# KiCad board Logic_0.kicad_pcb (continued)
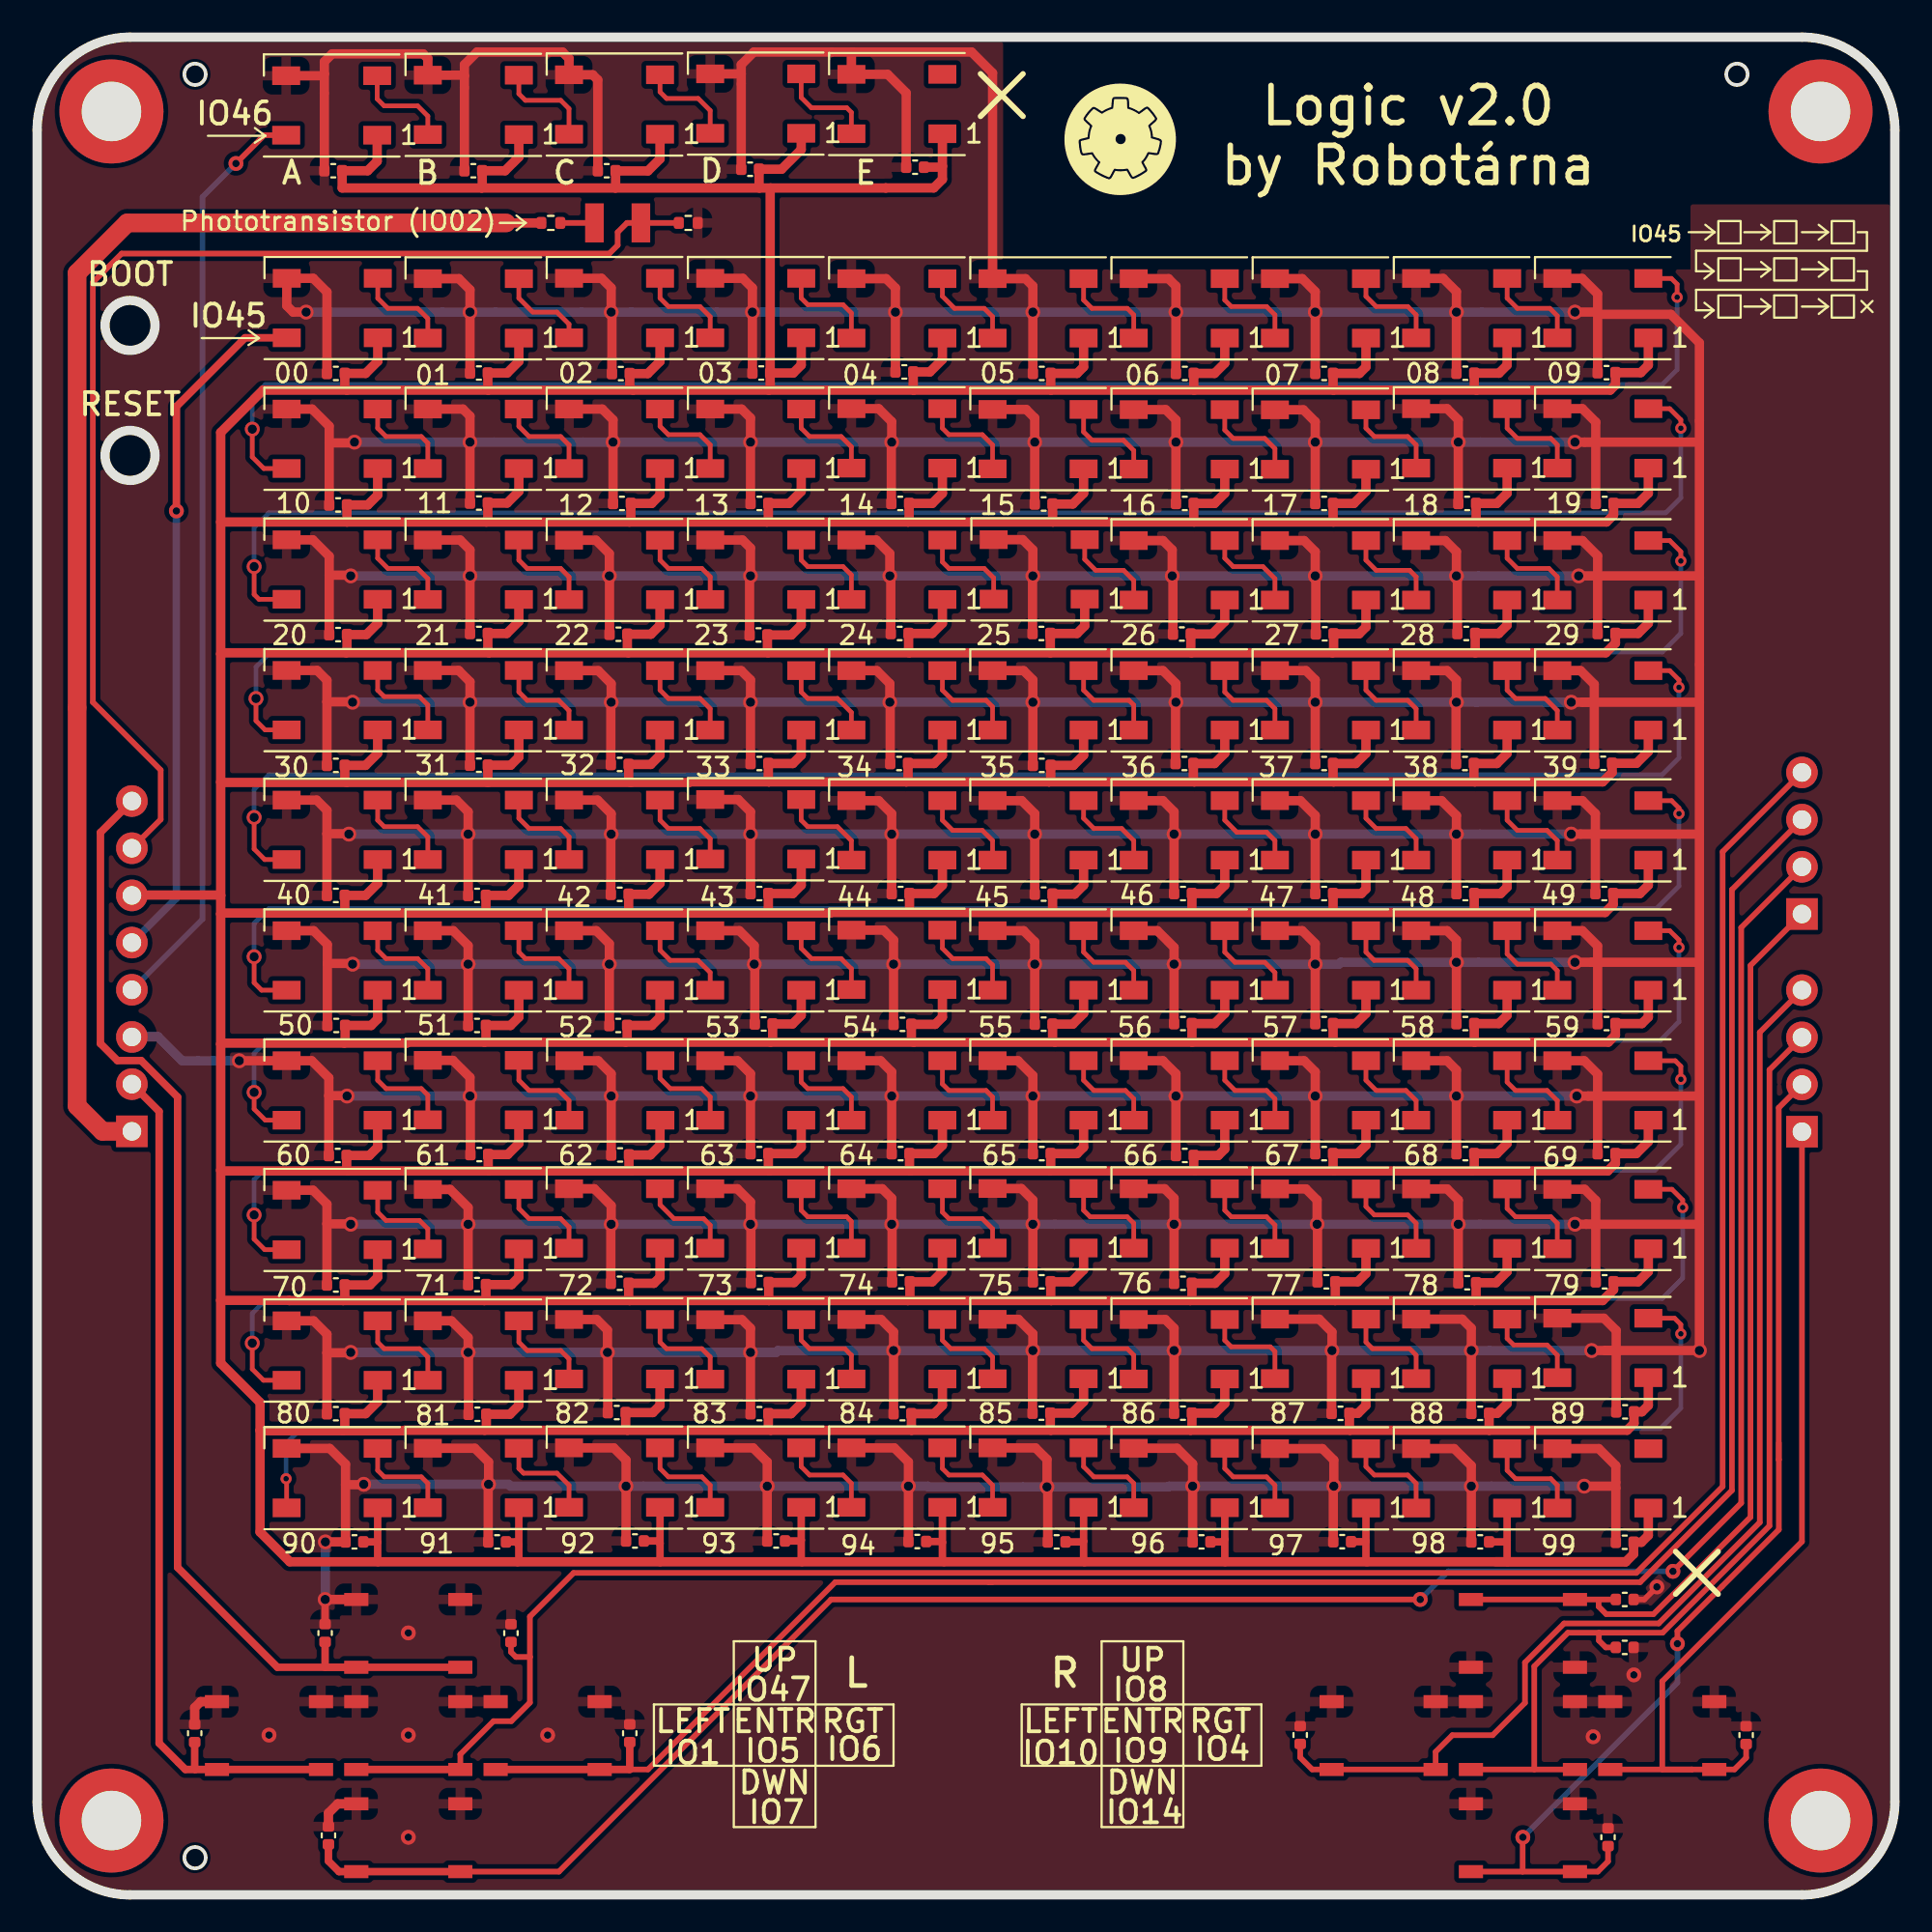
[diagram p0: board, top side]
## Routing (per net, layer and track width the routed paths; a pad name or vN(x,y) marks a point on that pad's centre or on a via; arc(x,y) is an arc through that point) (continued)
Net-(D23-Pad2): length 5.3
  Top w0.25: D23.2 25.93,79.05 26.48,78.5 28.18,78.5 28.63,78.05 D24.4
Net-(D24-Pad2): length 5.3
  Top w0.25: D25.4 36.23,78.05 35.68,78.6 33.98,78.6 33.53,79.05 D24.2
Net-(D25-Pad2): length 5.3
  Top w0.25: D26.4 43.83,77.95 43.28,78.5 41.58,78.5 41.13,78.95 D25.2
Net-(D27-Pad2): length 5.3
  Top w0.25: D28.4 59.03,77.75 58.48,78.3 56.78,78.3 56.33,78.75 D27.2
Net-(D28-Pad2): length 5.3
  Top w0.25: D28.2 63.93,78.85 64.38,78.4 66.08,78.4 66.63,77.85 D29.4
Net-(D29-Pad2): length 5.3
  Top w0.25: D29.2 71.53,78.95 71.98,78.5 73.78,78.5 74.23,78.05 D30.4
Net-(D30-Pad2): length 5.4
  Top w0.25: D31.4 81.83,78.05 81.48,78.4 79.68,78.4 79.13,78.95 D30.2
Net-(D32-Pad2): length 5.3
  Top w0.25: D32.2 18.33,71.95 18.88,71.4 20.48,71.4 21.03,70.85 D33.4
Net-(D33-Pad2): length 5.4
  Top w0.25: D33.2 25.93,71.85 26.38,71.4 28.18,71.4 28.63,70.95 D34.4
Net-(D34-Pad2): length 5.4
  Top w0.25: D35.4 36.23,70.95 35.78,71.4 33.98,71.4 33.53,71.85 D34.2
Net-(D35-Pad2): length 5.4
  Top w0.25: D36.4 43.83,71.05 43.38,71.5 41.48,71.5 41.13,71.85 D35.2
Net-(D37-Pad2): length 5.2
  Top w0.25: D38.4 59.03,70.75 58.48,71.3 56.98,71.3 56.39,71.89 D37.2
Net-(D38-Pad2): length 5.3
  Top w0.25: D38.2 63.93,71.95 64.38,71.5 65.98,71.5 66.63,70.85 D39.4
Net-(D39-Pad2): length 5.4
  Top w0.25: D39.2 71.53,71.85 72.08,71.3 73.88,71.3 74.23,70.95 D40.4
Net-(D40-Pad2): length 5.3
  Top w0.25: D41.4 81.83,70.95 81.38,71.4 79.68,71.4 79.13,71.95 D40.2
Net-(D42-Pad2): length 5.4
  Top w0.25: D43.4 21.03,64.05 20.58,64.5 18.68,64.5 18.33,64.85 D42.2
Net-(D43-Pad2): length 5.3
  Top w0.25: D43.2 25.93,64.75 26.38,64.3 28.08,64.3 28.63,63.75 D44.4
Net-(D44-Pad2): length 5.3
  Top w0.25: D44.2 33.53,64.85 33.98,64.4 35.68,64.4 36.23,63.85 D45.4
Net-(D45-Pad2): length 5.3
  Top w0.25: D46.4 43.83,63.65 43.08,64.4 41.48,64.4 41.13,64.75 D45.2
Net-(D47-Pad2): length 5.4
  Top w0.25: D48.4 59.03,64.05 58.78,64.3 56.88,64.3 56.33,64.85 D47.2
Net-(D48-Pad2): length 5.4
  Top w0.25: D49.4 66.63,63.85 66.18,64.3 64.38,64.3 63.93,64.75 D48.2
Net-(D49-Pad2): length 5.3
  Top w0.25: D50.4 74.23,63.85 73.78,64.3 72.08,64.3 71.53,64.85 D49.2
Net-(D50-Pad2): length 5.3
  Top w0.25: D51.4 81.83,63.75 81.18,64.4 79.58,64.4 79.13,64.85 D50.2
Net-(D52-Pad2): length 5.4
  Top w0.25: D52.2 18.33,57.85 18.68,57.5 20.48,57.5 21.03,56.95 D53.4
Net-(D53-Pad2): length 5.3
  Top w0.25: D53.2 25.93,57.95 26.48,57.4 28.18,57.4 28.63,56.95 D54.4
Net-(D54-Pad2): length 5.3
  Top w0.25: D55.4 36.23,56.85 35.68,57.4 33.98,57.4 33.53,57.85 D54.2
Net-(D55-Pad2): length 5.3
  Top w0.25: D56.4 43.83,56.75 43.08,57.5 41.48,57.5 41.13,57.85 D55.2
Net-(D57-Pad2): length 5.2
  Top w0.25: D57.2 56.33,57.95 56.88,57.4 58.38,57.4 59.03,56.75 D58.4
Net-(D58-Pad2): length 5.3
  Top w0.25: D59.4 66.63,56.75 66.18,57.2 64.58,57.2 63.93,57.85 D58.2
Net-(D59-Pad2): length 5.3
  Top w0.25: D59.2 71.53,57.95 72.08,57.4 73.68,57.4 74.23,56.85 D60.4
Net-(D60-Pad2): length 5.3
  Top w0.25: D60.2 79.13,57.85 79.68,57.3 81.28,57.3 81.83,56.75 D61.4
Net-(D62-Pad2): length 5.3
  Top w0.25: D63.4 21.03,49.85 20.48,50.4 18.78,50.4 18.33,50.85 D62.2
Net-(D63-Pad2): length 5.4
  Top w0.25: D63.2 25.93,50.75 26.28,50.4 28.08,50.4 28.63,49.85 D64.4
Net-(D64-Pad2): length 5.2
  Top w0.25: D65.4 36.23,49.65 35.58,50.3 34.08,50.3 33.53,50.85 D64.2
Net-(D65-Pad2): length 5.2
  Top w0.25: D65.2 41.13,50.95 41.68,50.4 43.28,50.4 43.83,49.85 D66.4
Net-(D67-Pad2): length 5.3
  Top w0.25: D67.2 56.33,50.75 56.88,50.2 58.58,50.2 59.03,49.75 D68.4
Net-(D68-Pad2): length 5.3
  Top w0.25: D69.4 66.63,49.65 66.08,50.2 64.48,50.2 63.93,50.75 D68.2
Net-(D69-Pad2): length 5.4
  Top w0.25: D70.4 74.23,49.85 73.78,50.3 71.98,50.3 71.53,50.75 D69.2
Net-(D70-Pad2): length 5.4
  Top w0.25: D70.2 79.13,50.65 79.68,50.1 81.48,50.1 81.83,49.75 D71.4
Net-(D72-Pad2): length 5.4
  Top w0.25: D73.4 21.03,43.05 20.68,43.4 18.78,43.4 18.33,43.85 D72.2
Net-(D73-Pad2): length 5.3
  Top w0.25: 28.63,41.7 28.63,42.75 28.08,43.3 26.48,43.3 25.93,43.85 D73.2
Net-(D74-Pad2): length 5.3
  Top w0.25: 33.53,44.9 33.53,43.95 34.08,43.4 35.78,43.4 36.23,42.95 D75.4
Net-(D75-Pad2): length 5.4
  Top w0.25: D76.4 43.83,42.95 43.38,43.4 41.48,43.4 41.13,43.75 D75.2
Net-(D77-Pad2): length 5.3
  Top w0.25: D77.2 56.33,43.85 56.88,43.3 58.58,43.3 59.03,42.85 D78.4
Net-(D78-Pad2): length 5.3
  Top w0.25: D79.4 66.63,42.85 66.18,43.3 64.48,43.3 63.93,43.85 D78.2
Net-(D79-Pad2): length 5.3
  Top w0.25: D79.2 71.53,43.85 72.08,43.3 73.68,43.3 74.23,42.75 D80.4
Net-(D80-Pad2): length 5.3
  Top w0.25: D80.2 79.13,43.75 79.58,43.3 81.28,43.3 81.83,42.75 D81.4
Net-(D82-Pad2): length 5.3
  Top w0.25: D83.4 21.03,35.85 20.58,36.3 18.78,36.3 18.33,36.75 D82.2
Net-(D83-Pad2): length 5.3
  Top w0.25: D83.2 25.93,36.95 26.48,36.4 28.18,36.4 28.63,35.95 D84.4
Net-(D84-Pad2): length 5.3
  Top w0.25: D84.2 33.53,37.15 34.28,36.4 35.88,36.4 36.23,36.05 D85.4
Net-(D85-Pad2): length 5.5
  Top w0.25: D85.2 41.13,36.85 41.48,36.5 43.58,36.5 43.83,36.25 D86.4
Net-(D87-Pad2): length 5.5
  Top w0.25: D88.4 59.03,36.15 58.68,36.5 56.68,36.5 56.33,36.85 D87.2
Net-(D88-Pad2): length 5.4
  Top w0.25: D89.4 66.63,36.05 66.18,36.5 64.28,36.5 63.93,36.85 D88.2
Net-(D89-Pad2): length 5.4
  Top w0.25: D90.4 74.23,36.15 73.78,36.6 71.98,36.6 71.53,37.05 D89.2
Net-(D90-Pad2): length 5.5
  Top w0.25: D91.4 81.83,36.15 81.48,36.5 79.58,36.5 79.13,36.95 D90.2
Net-(D93-Pad2): length 5.4
  Top w0.25: D94.4 21.03,28.95 20.58,29.4 18.68,29.4 18.33,29.75 D93.2
Net-(D94-Pad2): length 5.3
  Top w0.25: D94.2 25.93,29.75 26.38,29.3 28.18,29.3 28.63,28.85 D95.4
Net-(D95-Pad2): length 5.4
  Top w0.25: D96.4 36.23,28.95 35.78,29.4 33.88,29.4 33.53,29.75 D95.2
Net-(D96-Pad2): length 5.4
  Top w0.25: D96.2 41.13,29.85 41.58,29.4 43.48,29.4 43.83,29.05 D97.4
Net-(D98-Pad2): length 5.4
  Top w0.25: D98.2 56.33,29.85 56.78,29.4 58.68,29.4 59.03,29.05 D99.4
Net-(D100-Pad2): length 5.5
  Top w0.25: D100.2 71.53,29.75 71.88,29.4 73.88,29.4 74.23,29.05 D101.4
Net-(D100-Pad4): length 5.5
  Top w0.25: D99.2 63.93,29.85 64.28,29.5 66.38,29.5 66.63,29.25 D100.4
Net-(D101-Pad2): length 5.3
  Top w0.25: D101.2 79.13,29.95 79.48,29.6 81.28,29.6 81.83,29.05 D102.4
Net-(D103-Pad2): length 5.5
  Top w0.25: D103.2 18.33,22.85 18.68,22.5 20.68,22.5 21.03,22.15 D104.4
Net-(D104-Pad2): length 5.4
  Top w0.25: D105.4 28.63,22.05 27.98,22.7 26.18,22.7 25.93,22.95 D104.2
Net-(D105-Pad2): length 5.4
  Top w0.25: D105.2 33.53,22.95 33.98,22.5 35.78,22.5 36.23,22.05 D106.4
Net-(D106-Pad2): length 5.4
  Top w0.25: D106.2 41.13,23.05 41.58,22.6 43.38,22.6 43.83,22.15 D107.4
Net-(D108-Pad2): length 5.4
  Top w0.25: D109.4 59.03,22.15 58.68,22.5 56.88,22.5 56.33,23.05 D108.2
Net-(D109-Pad2): length 5.4
  Top w0.25: D109.2 63.93,22.95 64.38,22.5 66.18,22.5 66.63,22.05 D110.4
Net-(D110-Pad2): length 5.4
  Top w0.25: D111.4 74.23,22.15 73.78,22.6 71.98,22.6 71.53,23.05 D110.2
Net-(D111-Pad2): length 5.4
  Top w0.25: D111.2 79.13,22.85 79.58,22.4 81.48,22.4 81.83,22.05 D112.4
Net-(D113-Pad4): length 5.5
  Top w0.25: D6.2 41.13,96.75 41.68,96.2 43.58,96.2 43.83,95.95 D113.4
Net-(Q3-Pad1): length 1.8
  Top w0.3: Q3.1 R5.2

## Copper pours and planes (outline as drawn; the poured copper is in the pictures)
/ovladaci_prvky.sch/GND on Top: 52,87.5 89,87.5 89,91 100,91 100,0 0,0 0,100 52,100
/ovladaci_prvky.sch/GND on Bottom: 52,87.5 89,87.5 89,91 100,91 100,0 0,0 0,100 52,100

## Text on the board
F.Silkscreen: IO45 | 20 | 70 | 00 | 30 | 10 | 40 | 60 | 80 | 50 | 90 | Phototransistor (IO02) | 01 | 21 | 31 | 61 | 71 | 81 | 11 | 41 | 51 | 91 | 22 | 82 | 42 | 02 | 12 | 52 | 62 | 72 | 32 | 92 | 83 | 13 | 23 | 33 | 03 | 73 | 43 | 63 | 93 | 53 | 34 | 44 | 14 | 24 | 64 | 74 | 84 | 94 | 04 | 54 | 45 | 25 | 55 | 75 | 85 | 05 | 15 | 35 | 95 | 65 | 56 | 76 | 46 | 16 | 26 | 36 | 86 | 66 | 06 | 96 | 37 | 47 | 17 | 57 | 07 | 27 | 67 | 77 | 97 | 87 | 28 | 48 | 58 | 18 | 38 | 68 | 78 | 08 | 88 | 98 | 49 | 99 | 39 | 69 | 29 | 59 | 79 | 09 | 19 | 89 | BOOT | RESET | IO46 | A | B | C | LEFT | IO1 | D | IO47 | IO5 | UP | ENTR | DWN | IO7 | RGT | IO6 | E | IO10 | IO8 | IO9 | IO14 | IO4 | L | R | Logic v2.0 / by Robotárna | ×
